# Altium PCB MOTHER_BOARD_V1.0.PcbDoc (part 1 of 2)
Units mm, origin at the board's own origin, x right, y up, seen from the top; angles counter-clockwise.
Board outline 320 x 91 mm, 6 copper layers (Top Layer, Layer 2, Layer 3, Layer 4, Layer 5, Bottom Layer), stack 1.509 mm thick; 445 components, 446 nets, 2207 pads, 95 vias.
Unrouted connection lines stored in the file: 1411.
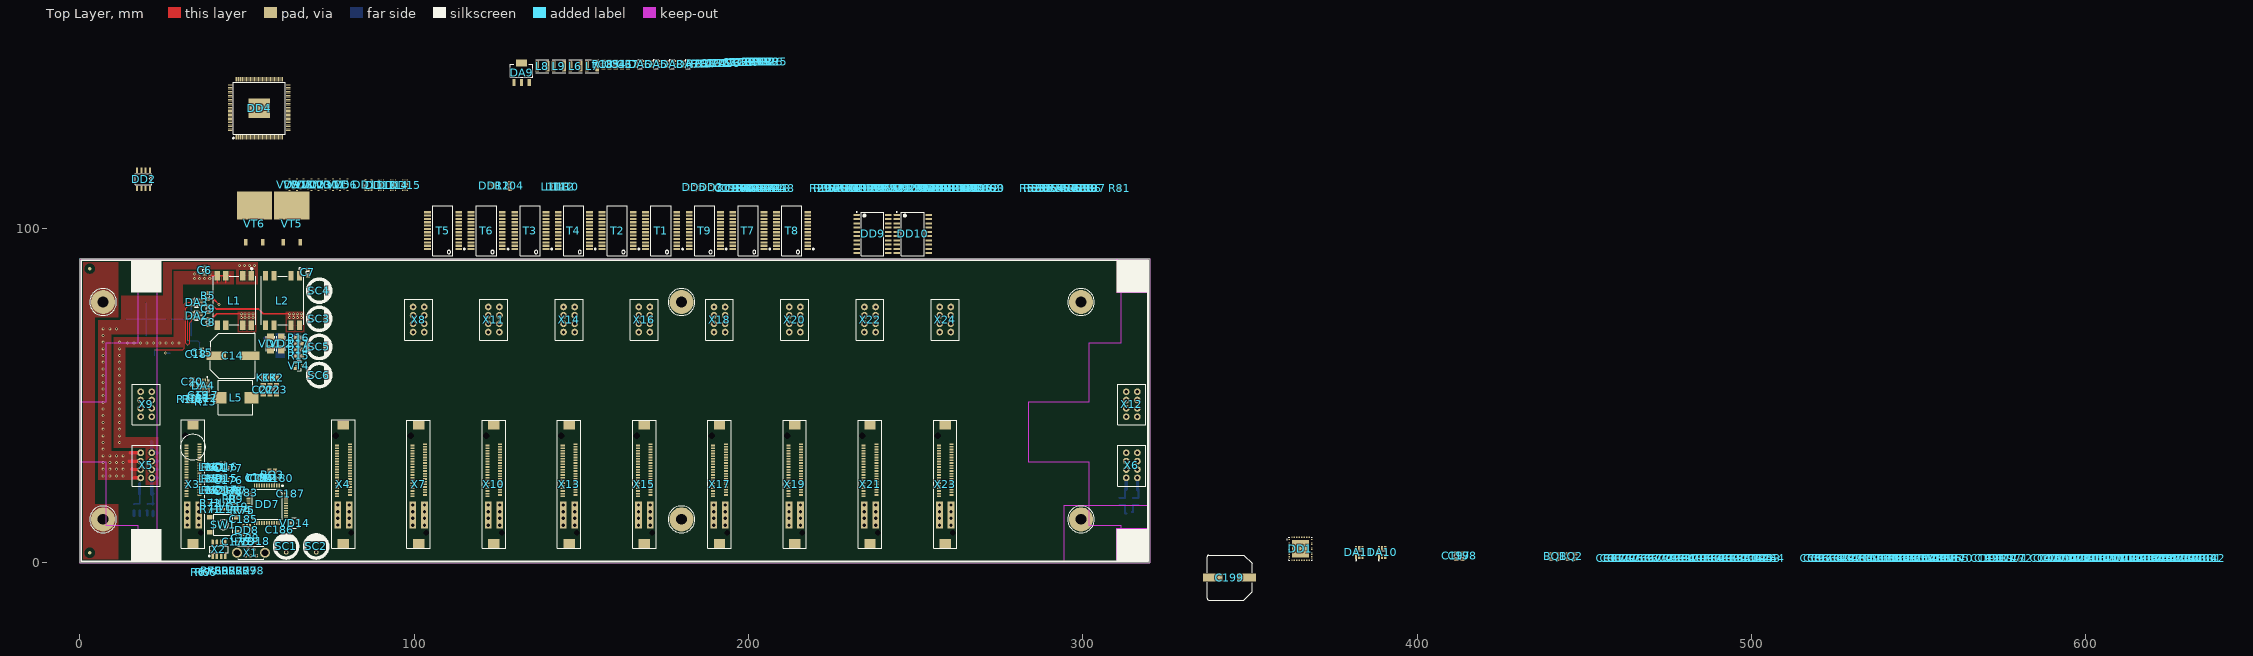
[diagram p0: Top Layer view]
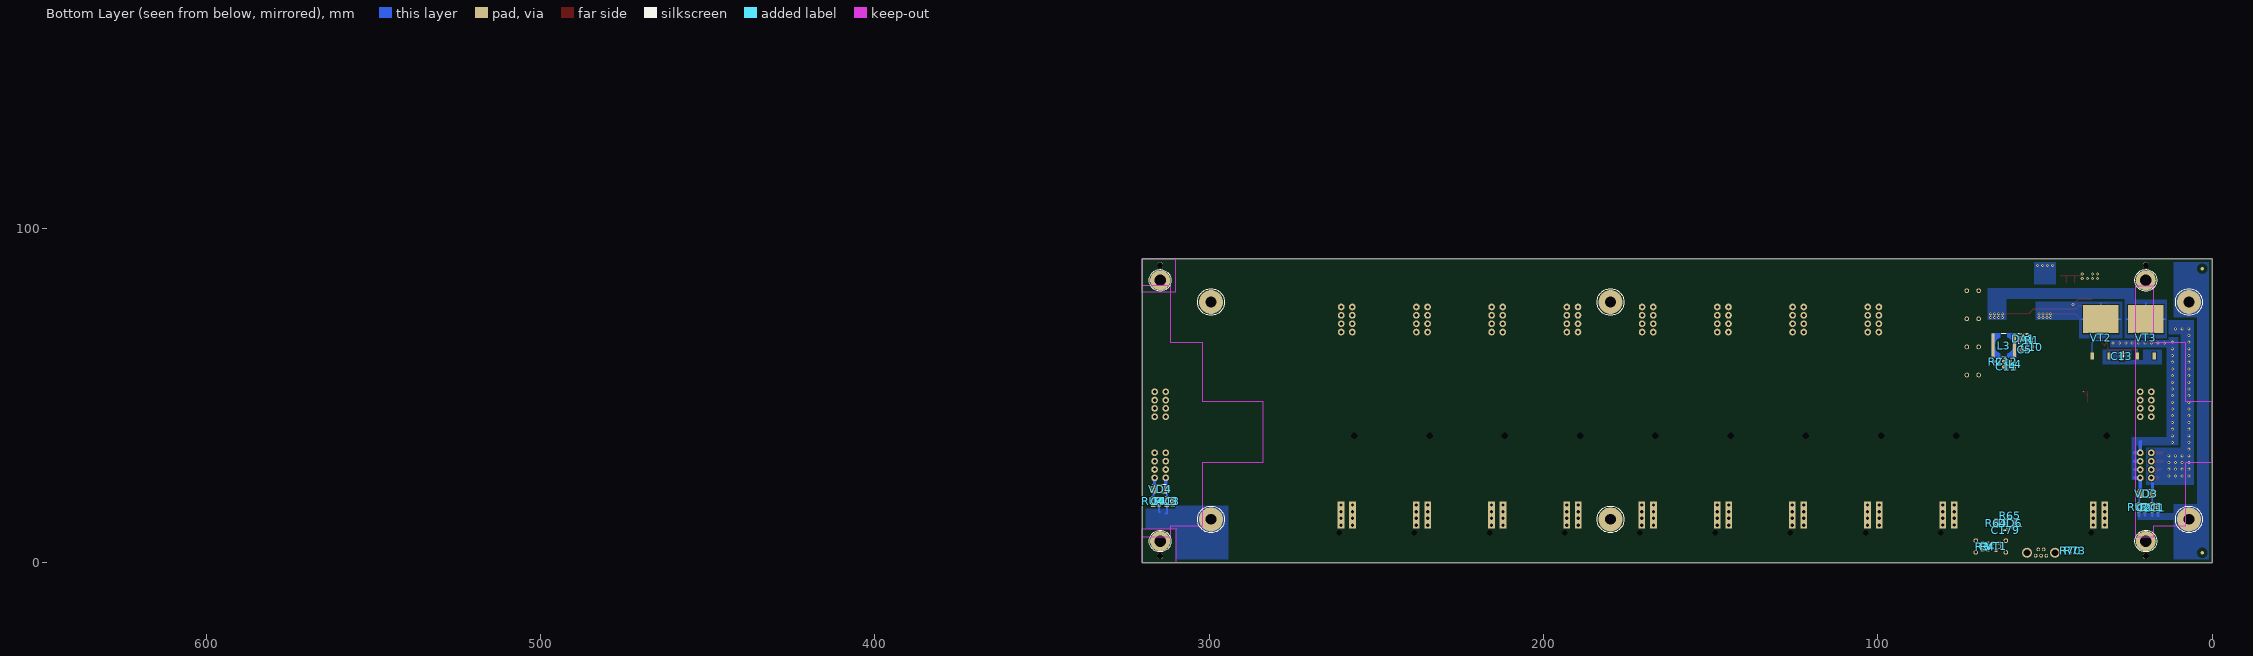
[diagram p1: Bottom Layer view, seen from below]
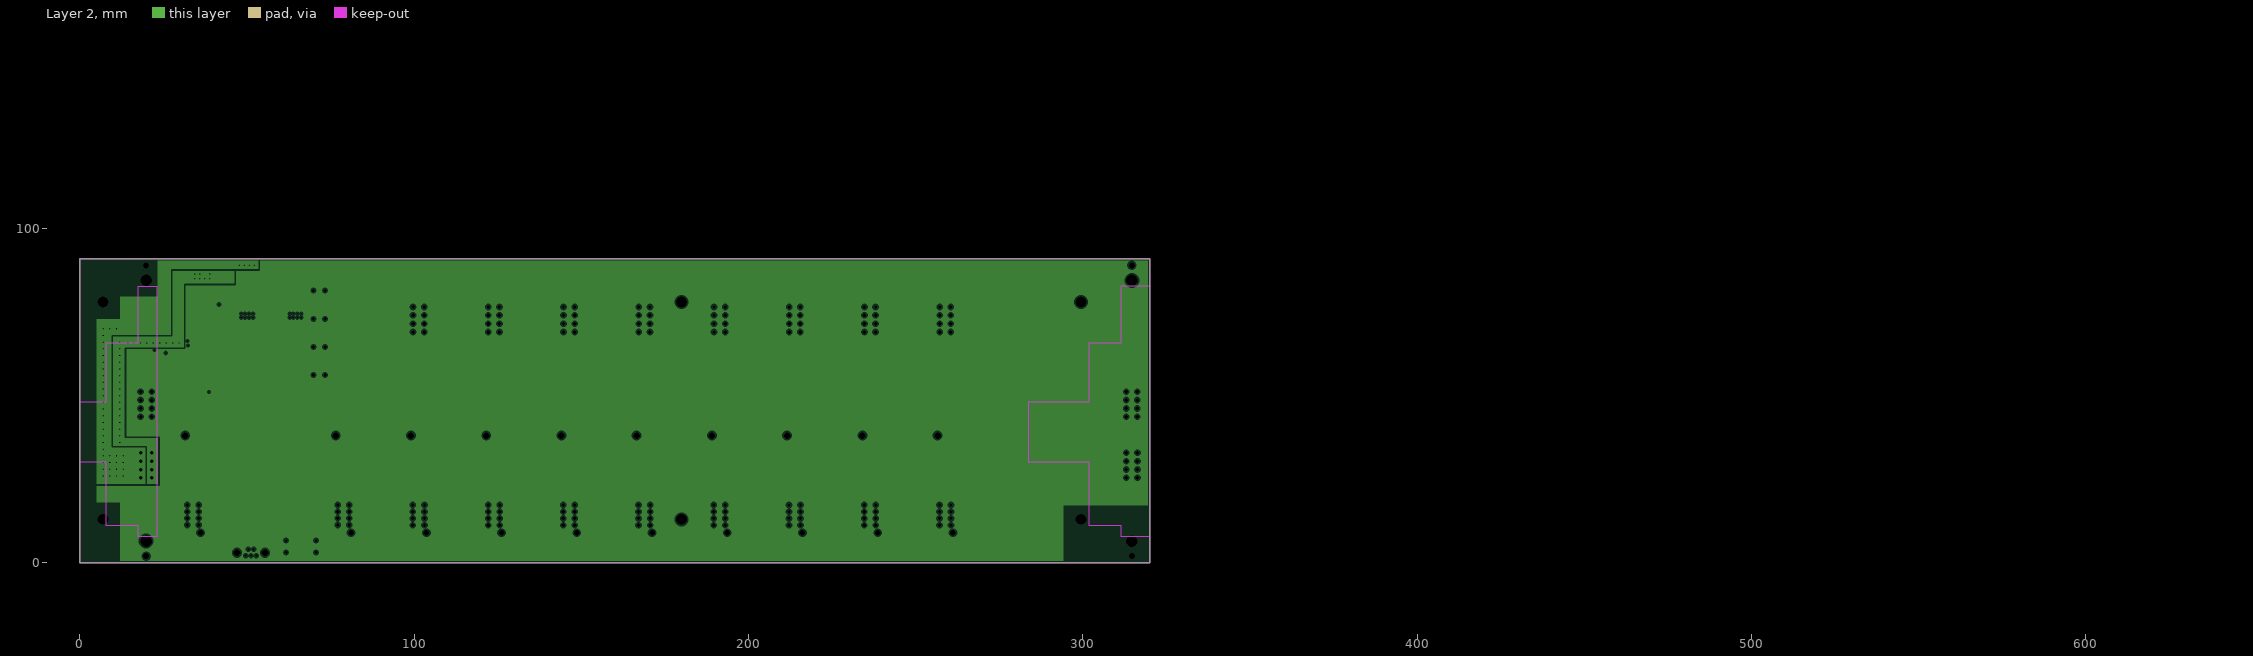
[diagram p2: Layer 2, clearances drawn from the general rule]
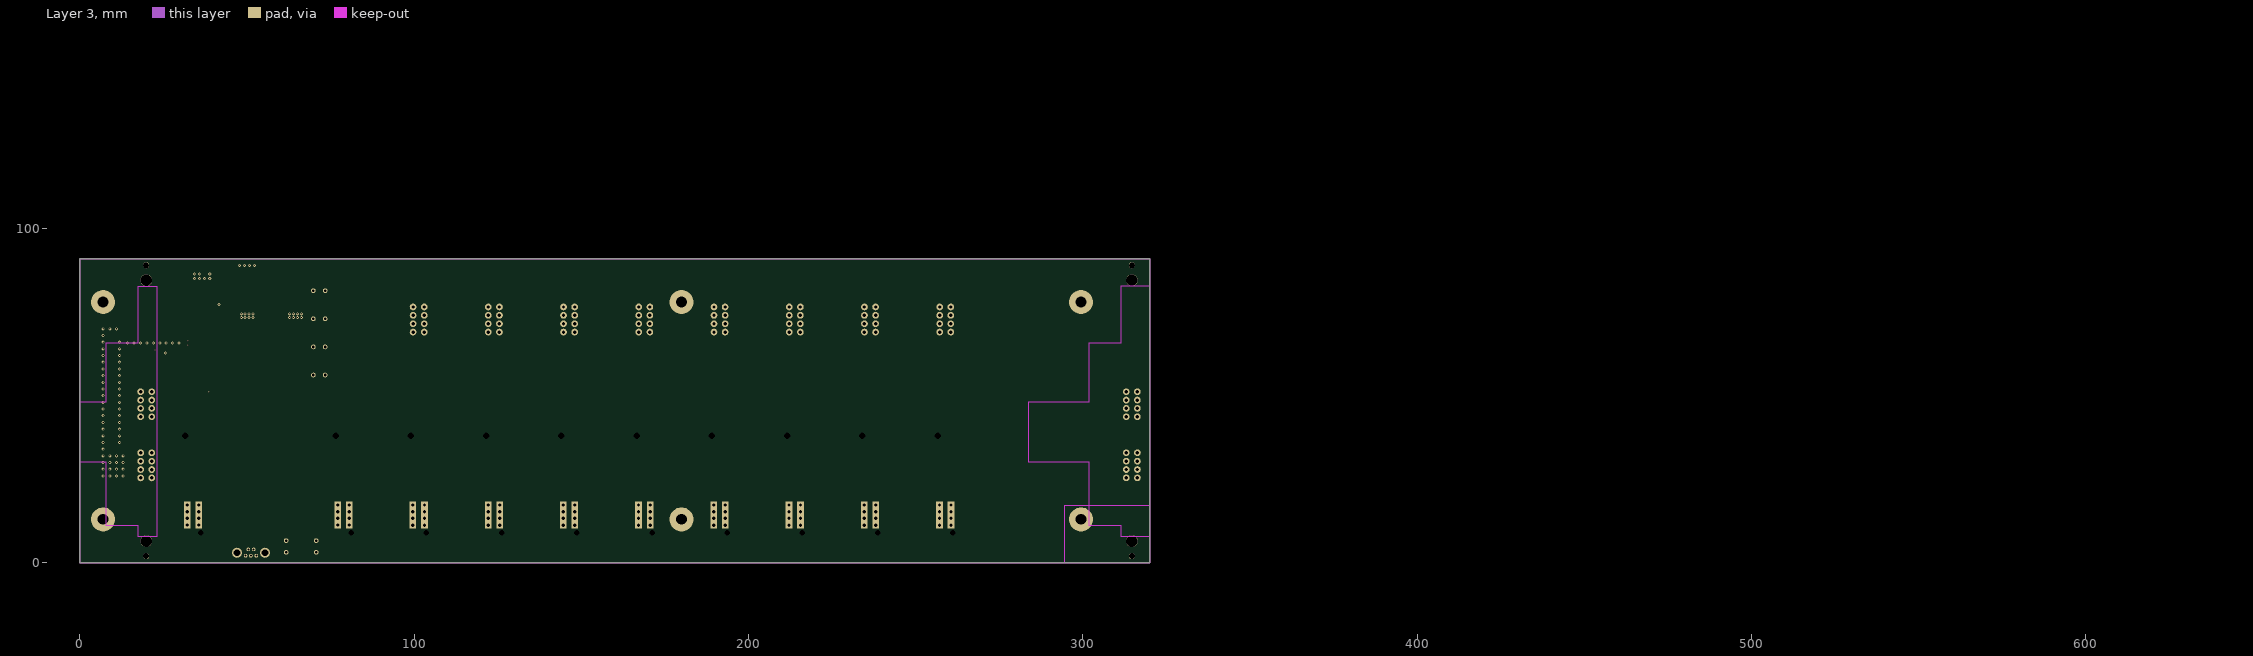
[diagram p3: Layer 3]
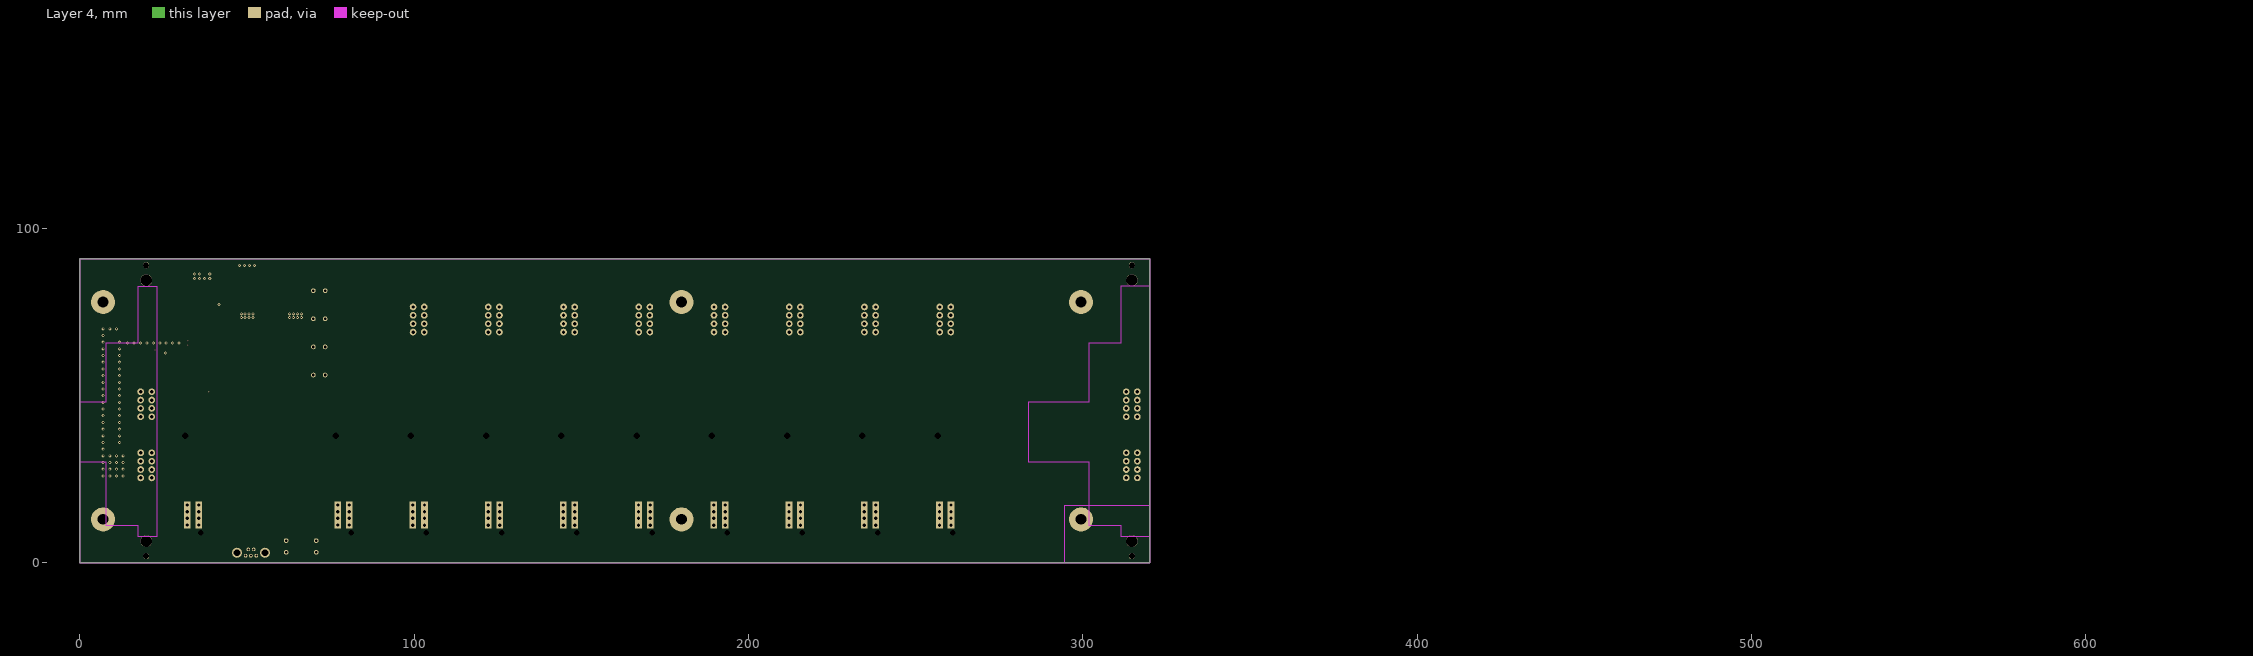
[diagram p4: Layer 4]
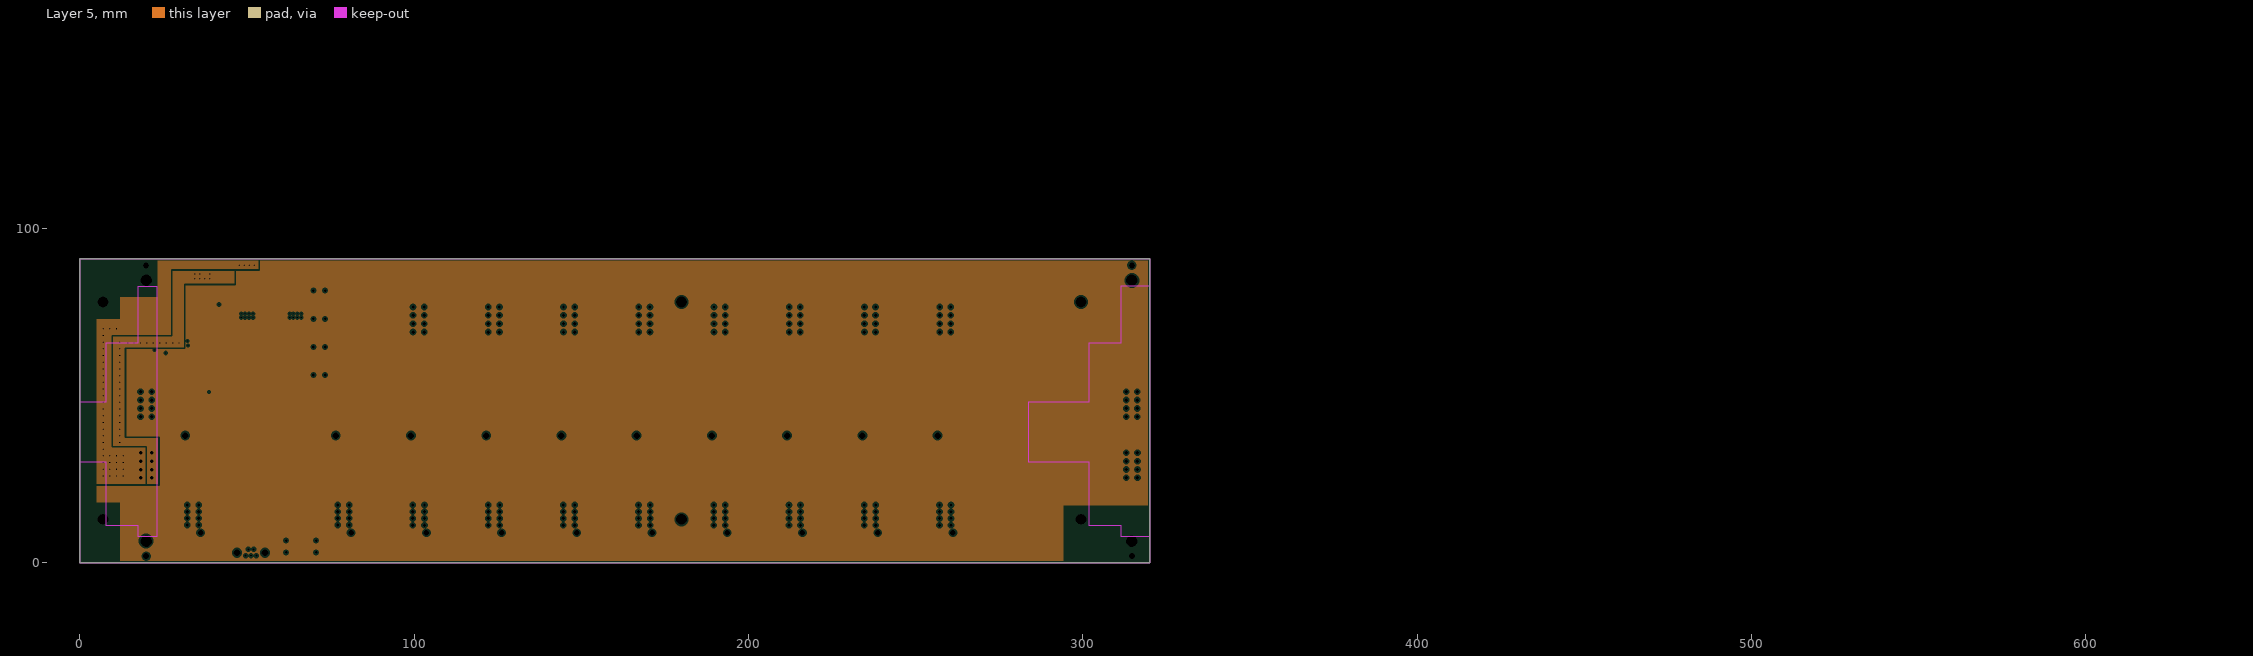
[diagram p5: Layer 5, clearances drawn from the general rule]

## Layer stack, top to bottom
Top Solder: solder mask 0.025, Solder Resist, Dk 3.5
Top Layer: signal copper 0.018
PREPREG1: prepreg 0.127, 2116, Dk 4.2
Layer 2: plane copper 0.018, net (Multiple Nets)
CORE1: core 0.51, FR4, Dk 4.6
Layer 3: signal copper 0.018
PREPREG2: prepreg 0.127, 2116, Dk 4.2
Layer 4: signal copper 0.018
CORE2: core 0.51, FR4, Dk 4.6
Layer 5: plane copper 0.018, net (Multiple Nets)
PREPREG3: prepreg 0.127, 2116, Dk 4.2
Bottom Layer: signal copper 0.018
Bottom Solder: solder mask 0.025, Solder Resist, Dk 3.5

## Board outline
0,0 0,91 320,91 320,0

## Design rules (kind name [scope] priority, off if disabled: settings)
Clearance ClearanceBoard [All vs OnLayer('Keep-Out Layer')] p1: gap=1 ignorepadtopadclearanceinfootprint=FALSE
Clearance ClearanceShield [IsTrack or InPoly vs InNet('SHIELD')] p2: gap=1 ignorepadtopadclearanceinfootprint=FALSE
Clearance [All] p3: gap=0.125 ignorepadtopadclearanceinfootprint=TRUE
DiffPairsRouting [All] p1: maxlimit=0.254 minlimit=0.254 mostfreqgap=0.254 toplayer_minwidth=0.381 toplayer_maxwidth=0.381 toplayer_prefwidth=0.381 midlayer1_minwidth=0.381 midlayer1_maxwidth=0.381 midlayer1_prefwidth=0.381 midlayer2_minwidth=0.381 midlayer2_maxwidth=0.381 midlayer2_prefwidth=0.381 bottomlayer_minwidth=0.381 bottomlayer_maxwidth=0.381 bottomlayer_prefwidth=0.381 maxuncoupledlength=12.7
Height [OnBottom] p1: minheight=0 maxheight=7 prefheight=5
HoleSize [All] p1: absolutevalues=TRUE maxlimit=5 minlimit=0.2 maxpercent=80.000 minpercent=20.000
PlaneClearance PlaneClearanceShield [InNet('SHIELD')] p1: clearance=1
PlaneClearance [All] p2: clearance=0.5
PlaneConnect PlaneConnectShieldM3 [InPadClass('M3_SHIELD')] p1: planeconnectstyle=Direct reliefexpansion=0.5 reliefentries=4 reliefconductorwidth=0.25 reliefairgap=0.25
PlaneConnect PlaneConnectVia [IsVia] p2: planeconnectstyle=Direct reliefexpansion=0.5 reliefentries=4 reliefconductorwidth=0.25 reliefairgap=0.25
PlaneConnect PlaneConnectNet [All] p3: planeconnectstyle=Relief reliefexpansion=0.5 reliefentries=4 reliefconductorwidth=0.25 reliefairgap=0.25
PolygonConnect PolygonConnectShieldM3 [InPadClass('M3_SHIELD') vs InNet('SHIELD')] p1: connectstyle=Direct reliefconductorwidth=0.254 reliefentries=4 polygonreliefangle="90 Angle" airgapwidth=0.254
PolygonConnect [All] p2: thpad.connectstyle=Relief thpad.reliefconductorwidth=0.25 thpad.reliefentries=4 thpad.polygonreliefangle="90 Angle" thpad.airgapwidth=0.25 smdpad.connectstyle=Relief smdpad.reliefconductorwidth=0.25 smdpad.reliefentries=4 smdpad.polygonreliefangle="90 Angle" smdpad.airgapwidth=0.25 via.connectstyle=Direct via.reliefconductorwidth=0.25 via.reliefentries=4 via.polygonreliefangle="90 Angle" via.airgapwidth=0.25
RoutingCorners [All] p1: cornerstyle=45-Degree minsetback=2.5 maxsetback=2.5
RoutingVias VIA [All] p1: holewidth=0.4 width=0.9 viastyle="Through Hole" minholewidth=0.2 minwidth=0.4 maxholewidth=0.8 maxwidth=1.35
SolderMaskExpansion [All] p1: expansion=0.075 istentingtop=FALSE
Width WidthTrack [All] p1: maxlimit=1 minlimit=0.125 preferedwidth=0.2
24 further rules are at their usual default settings.

## Classes and differential pairs
pad class M3_SHIELD: Free-M3
net class P0_TX: P0_TX_CLK P0_TX_EN P0_TXD0 P0_TXD1 P0_TXD2 P0_TXD3
net class P0_TXRX: P0_TXRX_A_N P0_TXRX_A_P P0_TXRX_B_N P0_TXRX_B_P P0_TXRX_C_N P0_TXRX_C_P P0_TXRX_D_N P0_TXRX_D_P
net class P0_RX: P0_RX_CLK P0_RX_DV P0_RXD0 P0_RXD1 P0_RXD2 P0_RXD3
differential pair BUF_P10_SGMII_TX: +BUF_P10_SGMII_TX_P -BUF_P10_SGMII_TX_N
differential pair BUF_P10_SGMII_RX: +BUF_P10_SGMII_RX_P -BUF_P10_SGMII_RX_N
differential pair BUF_P9_SGMII_TX: +BUF_P9_SGMII_TX_P -BUF_P9_SGMII_TX_N
differential pair BUF_P9_SGMII_RX: +BUF_P9_SGMII_RX_P -BUF_P9_SGMII_RX_N
differential pair RS485_AB: +RS485_AB_P -RS485_AB_N
differential pair PHY8_TXRX_D: +PHY8_TXRX_D_P -PHY8_TXRX_D_N
differential pair PHY8_TXRX_C: +PHY8_TXRX_C_P -PHY8_TXRX_C_N
differential pair PHY8_TXRX_B: +PHY8_TXRX_B_P -PHY8_TXRX_B_N
differential pair PHY8_TXRX_A: +PHY8_TXRX_A_P -PHY8_TXRX_A_N
differential pair PHY7_TXRX_D: +PHY7_TXRX_D_P -PHY7_TXRX_D_N
differential pair PHY7_TXRX_C: +PHY7_TXRX_C_P -PHY7_TXRX_C_N
differential pair PHY7_TXRX_B: +PHY7_TXRX_B_P -PHY7_TXRX_B_N
differential pair PHY7_TXRX_A: +PHY7_TXRX_A_P -PHY7_TXRX_A_N
differential pair PHY6_TXRX_D: +PHY6_TXRX_D_P -PHY6_TXRX_D_N
differential pair PHY6_TXRX_C: +PHY6_TXRX_C_P -PHY6_TXRX_C_N
differential pair PHY6_TXRX_B: +PHY6_TXRX_B_P -PHY6_TXRX_B_N
differential pair PHY6_TXRX_A: +PHY6_TXRX_A_P -PHY6_TXRX_A_N
differential pair PHY5_TXRX_D: +PHY5_TXRX_D_P -PHY5_TXRX_D_N
differential pair PHY5_TXRX_C: +PHY5_TXRX_C_P -PHY5_TXRX_C_N
differential pair PHY5_TXRX_B: +PHY5_TXRX_B_P -PHY5_TXRX_B_N
differential pair PHY5_TXRX_A: +PHY5_TXRX_A_P -PHY5_TXRX_A_N
differential pair PHY4_TXRX_D: +PHY4_TXRX_D_P -PHY4_TXRX_D_N
differential pair PHY4_TXRX_C: +PHY4_TXRX_C_P -PHY4_TXRX_C_N
differential pair PHY4_TXRX_B: +PHY4_TXRX_B_P -PHY4_TXRX_B_N
differential pair PHY4_TXRX_A: +PHY4_TXRX_A_P -PHY4_TXRX_A_N
differential pair PHY3_TXRX_D: +PHY3_TXRX_D_P -PHY3_TXRX_D_N
differential pair PHY3_TXRX_C: +PHY3_TXRX_C_P -PHY3_TXRX_C_N
differential pair PHY3_TXRX_B: +PHY3_TXRX_B_P -PHY3_TXRX_B_N
differential pair PHY3_TXRX_A: +PHY3_TXRX_A_P -PHY3_TXRX_A_N
differential pair PHY2_TXRX_D: +PHY2_TXRX_D_P -PHY2_TXRX_D_N
differential pair PHY2_TXRX_C: +PHY2_TXRX_C_P -PHY2_TXRX_C_N
differential pair PHY2_TXRX_B: +PHY2_TXRX_B_P -PHY2_TXRX_B_N
differential pair PHY2_TXRX_A: +PHY2_TXRX_A_P -PHY2_TXRX_A_N
differential pair PHY1_TXRX_D: +PHY1_TXRX_D_P -PHY1_TXRX_D_N
differential pair PHY1_TXRX_C: +PHY1_TXRX_C_P -PHY1_TXRX_C_N
differential pair PHY1_TXRX_B: +PHY1_TXRX_B_P -PHY1_TXRX_B_N
differential pair PHY1_TXRX_A: +PHY1_TXRX_A_P -PHY1_TXRX_A_N
differential pair P10_SGMII_TX: +P10_SGMII_TX_P -P10_SGMII_TX_N
differential pair P10_SGMII_RX: +P10_SGMII_RX_P -P10_SGMII_RX_N
differential pair P9_SGMII_TX: +P9_SGMII_TX_P -P9_SGMII_TX_N
differential pair P9_SGMII_RX: +P9_SGMII_RX_P -P9_SGMII_RX_N
differential pair P8_TXRX_D: +P8_TXRX_D_P -P8_TXRX_D_N
differential pair P8_TXRX_C: +P8_TXRX_C_P -P8_TXRX_C_N
differential pair P8_TXRX_B: +P8_TXRX_B_P -P8_TXRX_B_N
differential pair P8_TXRX_A: +P8_TXRX_A_P -P8_TXRX_A_N
differential pair P7_TXRX_D: +P7_TXRX_D_P -P7_TXRX_D_N
differential pair P7_TXRX_C: +P7_TXRX_C_P -P7_TXRX_C_N
differential pair P7_TXRX_B: +P7_TXRX_B_P -P7_TXRX_B_N
differential pair P7_TXRX_A: +P7_TXRX_A_P -P7_TXRX_A_N
differential pair P6_TXRX_D: +P6_TXRX_D_P -P6_TXRX_D_N
differential pair P6_TXRX_C: +P6_TXRX_C_P -P6_TXRX_C_N
differential pair P6_TXRX_B: +P6_TXRX_B_P -P6_TXRX_B_N
differential pair P6_TXRX_A: +P6_TXRX_A_P -P6_TXRX_A_N
differential pair P5_TXRX_D: +P5_TXRX_D_P -P5_TXRX_D_N
differential pair P5_TXRX_C: +P5_TXRX_C_P -P5_TXRX_C_N
differential pair P5_TXRX_B: +P5_TXRX_B_P -P5_TXRX_B_N
differential pair P5_TXRX_A: +P5_TXRX_A_P -P5_TXRX_A_N
differential pair P4_TXRX_D: +P4_TXRX_D_P -P4_TXRX_D_N
differential pair P4_TXRX_C: +P4_TXRX_C_P -P4_TXRX_C_N
differential pair P4_TXRX_B: +P4_TXRX_B_P -P4_TXRX_B_N
differential pair P4_TXRX_A: +P4_TXRX_A_P -P4_TXRX_A_N
differential pair P3_TXRX_D: +P3_TXRX_D_P -P3_TXRX_D_N
differential pair P3_TXRX_C: +P3_TXRX_C_P -P3_TXRX_C_N
differential pair P3_TXRX_B: +P3_TXRX_B_P -P3_TXRX_B_N
differential pair P3_TXRX_A: +P3_TXRX_A_P -P3_TXRX_A_N
differential pair P2_TXRX_D: +P2_TXRX_D_P -P2_TXRX_D_N
differential pair P2_TXRX_C: +P2_TXRX_C_P -P2_TXRX_C_N
differential pair P2_TXRX_B: +P2_TXRX_B_P -P2_TXRX_B_N
differential pair P2_TXRX_A: +P2_TXRX_A_P -P2_TXRX_A_N
differential pair P1_TXRX_D: +P1_TXRX_D_P -P1_TXRX_D_N
differential pair P1_TXRX_C: +P1_TXRX_C_P -P1_TXRX_C_N
differential pair P1_TXRX_B: +P1_TXRX_B_P -P1_TXRX_B_N
differential pair P1_TXRX_A: +P1_TXRX_A_P -P1_TXRX_A_N
differential pair P0_TXRX_D: +P0_TXRX_D_P -P0_TXRX_D_N
differential pair P0_TXRX_C: +P0_TXRX_C_P -P0_TXRX_C_N
differential pair P0_TXRX_B: +P0_TXRX_B_P -P0_TXRX_B_N
differential pair P0_TXRX_A: +P0_TXRX_A_P -P0_TXRX_A_N
differential pair DBG_USB: +DBG_USB_P -DBG_USB_N
differential pair CPU_TXRX_D: +CPU_TXRX_D_P -CPU_TXRX_D_N
differential pair CPU_TXRX_C: +CPU_TXRX_C_P -CPU_TXRX_C_N
differential pair CPU_TXRX_B: +CPU_TXRX_B_P -CPU_TXRX_B_N
differential pair CPU_TXRX_A: +CPU_TXRX_A_P -CPU_TXRX_A_N
differential pair BMC_USB: +BMC_USB_P -BMC_USB_N

## Components (designator, comment, footprint, x,y, rotation, side; value= is the part's Value field where it differs from the comment)
BQ1 "25 МГц" WE-XTAL_CFPX-180 441.275,1.933 r0 top
BQ2 "25 МГц" WE-XTAL_CFPX-180 446.133,1.933 r0 top
BQ3 "8 МГц" WE-XTAL_CFPX-180 57.575,26.375 r90 top
C1 "100 пФ" C0805 16.233,16.541 r270 bottom
C2 "100 пФ" C0805 20.202,16.541 r90 bottom
C3 "100 пФ" C0805 310.95,18.35 r270 bottom
C4 "100 пФ" C0805 315.05,18.35 r90 bottom
C5 "1 мкФ" C0805 56.1,63.7 r0 bottom
C6 "0,1 мкФ" C0805 37.383,87.468 r90 top
C7 "0,1 мкФ" C0805 68.275,86.85 r270 top
C8 "0,1 мкФ" C0805 38.433,72.029 r90 top
C9 "0,1 мкФ" C0805 38.433,75.935 r90 top
C10 "68 нФ" C0603 53.825,64.45 r90 bottom
C11 "22 мкФ" C0805 61.425,58.6 r0 bottom
C12 "22 мкФ" C0805 61.425,60.175 r0 bottom
C13 "22 мкФ" C0805 27.025,61.825 r90 bottom
C14 "220 мкФ 63 В" WCAP-ASLL_12.5x14 45.85,61.95 r180 top locked
C15 "22 мкФ" C0805 36.5,62.9 r270 top
C16 "4,7 нФ" C0402 35.6,49.325 r0 top
C17 "2,2 нФ" C0402 38.3,50.1 r180 top
C18 "22 нФ" C0402 34.85,62.425 r270 top
C19 "100 пФ" C0402 35.6,50.1 r0 top
C20 "0,1 мкФ" C0805 33.675,54.125 r90 top
C21 "100 мкФ" C1206 54.925,51.725 r90 top
C22 "100 мкФ" C1206 56.9,51.725 r90 top
C23 "100 мкФ" C1206 58.875,51.725 r90 top
C24 "10 мкФ" C0603 190.356,149.417 r90 top
C25 "10 мкФ" C0603 191.714,149.417 r90 top
C26 "10 мкФ" C0603 194.43,149.417 r90 top
C27 "10 мкФ" C0603 193.072,149.417 r90 top
C28 "0,1 мкФ" C0402 197.879,149.717 r90 top
C29 "0,1 мкФ" C0402 198.987,149.717 r90 top
C30 "0,1 мкФ" C0402 200.095,149.717 r90 top
C31 "0,1 мкФ" C0402 195.663,149.717 r90 top
C32 "0,1 мкФ" C0402 196.771,149.717 r90 top
C33 "10 мкФ" C0603 188.998,149.417 r90 top
C34 "47 мкФ" C0805 160.31,149.067 r90 top
C35 "47 мкФ" C0805 158.452,149.067 r90 top
C36 "47 мкФ" C0805 162.168,149.067 r90 top
C37 "47 мкФ" C0805 164.026,149.067 r90 top
C38 "22 пФ" C0402 500.155,1.408 r90 top
C39 "22 пФ" C0402 501.263,1.408 r90 top
C40 "10 мкФ" C0402 497.939,1.408 r90 top
C41 "10 мкФ" C0402 499.047,1.408 r90 top
C42 "10 мкФ" C0402 502.371,1.408 r90 top
C43 "10 мкФ" C0402 505.696,1.408 r90 top
C44 "0,1 мкФ" C0402 506.804,1.408 r90 top
C45 "0,1 мкФ" C0402 503.479,1.408 r90 top
C46 "0,1 мкФ" C0402 504.588,1.408 r90 top
C47 "0,1 мкФ" C0402 530.074,1.408 r90 top
C48 "10 мкФ" C0402 531.182,1.408 r90 top
C49 "10 мкФ" C0402 527.858,1.408 r90 top
C50 "10 мкФ" C0402 528.966,1.408 r90 top
C51 "10 мкФ" C0402 532.29,1.408 r90 top
C52 "10 мкФ" C0402 535.614,1.408 r90 top
C53 "0,1 мкФ" C0402 536.723,1.408 r90 top
C54 "0,1 мкФ" C0402 533.398,1.408 r90 top
C55 "0,1 мкФ" C0402 534.506,1.408 r90 top
C56 "0,1 мкФ" C0402 520.101,1.408 r90 top
C57 "0,1 мкФ" C0402 521.209,1.408 r90 top
C58 "0,1 мкФ" C0402 517.885,1.408 r90 top
C59 "0,1 мкФ" C0402 518.993,1.408 r90 top
C60 "0,1 мкФ" C0402 522.317,1.408 r90 top
C61 "0,1 мкФ" C0402 525.641,1.408 r90 top
C62 "0,1 мкФ" C0402 526.75,1.408 r90 top
C63 "0,1 мкФ" C0402 523.425,1.408 r90 top
C64 "0,1 мкФ" C0402 524.533,1.408 r90 top
C65 "0,1 мкФ" C0402 496.831,1.408 r90 top
C66 "0,1 мкФ" C0402 469.128,1.408 r90 top
C67 "0,1 мкФ" C0402 470.236,1.408 r90 top
C68 "0,1 мкФ" C0402 466.912,1.408 r90 top
C69 "0,1 мкФ" C0402 468.02,1.408 r90 top
C70 "0,1 мкФ" C0402 471.344,1.408 r90 top
C71 "0,1 мкФ" C0402 474.669,1.408 r90 top
C72 "0,1 мкФ" C0402 475.777,1.408 r90 top
C73 "0,1 мкФ" C0402 472.453,1.408 r90 top
C74 "0,1 мкФ" C0402 473.561,1.408 r90 top
C75 "0,1 мкФ" C0402 464.696,1.408 r90 top
C76 "0,1 мкФ" C0402 465.804,1.408 r90 top
C77 "0,1 мкФ" C0402 463.588,1.408 r90 top
C78 "0,1 мкФ" C0402 461.372,1.408 r90 top
C79 "0,1 мкФ" C0402 462.48,1.408 r90 top
C80 "22 пФ" C0402 458.047,1.408 r90 top
C81 "22 пФ" C0402 456.939,1.408 r90 top
C82 "0,1 мкФ" C0402 460.263,1.408 r90 top
C83 "0,1 мкФ" C0402 459.155,1.408 r90 top
C84 "0,1 мкФ" C0402 489.074,1.408 r90 top
C85 "0,1 мкФ" C0402 490.182,1.408 r90 top
C86 "0,1 мкФ" C0402 486.858,1.408 r90 top
C87 "0,1 мкФ" C0402 487.966,1.408 r90 top
C88 "0,1 мкФ" C0402 491.29,1.408 r90 top
C89 "0,1 мкФ" C0402 494.615,1.408 r90 top
C90 "0,1 мкФ" C0402 495.723,1.408 r90 top
C91 "0,1 мкФ" C0402 492.398,1.408 r90 top
C92 "0,1 мкФ" C0402 493.507,1.408 r90 top
C93 "0,1 мкФ" C0402 479.101,1.408 r90 top
C94 "0,1 мкФ" C0402 480.209,1.408 r90 top
C95 "0,1 мкФ" C0402 476.885,1.408 r90 top
C96 "0,1 мкФ" C0402 477.993,1.408 r90 top
C97 "0,1 мкФ" C0402 481.317,1.408 r90 top
C98 "0,1 мкФ" C0402 484.642,1.408 r90 top
C99 "0,1 мкФ" C0402 485.75,1.408 r90 top
C100 "0,1 мкФ" C0402 482.425,1.408 r90 top
C101 "0,1 мкФ" C0402 483.534,1.408 r90 top
C102 "0,1 мкФ" C0402 604.317,1.408 r90 top
C103 "0,1 мкФ" C0402 605.425,1.408 r90 top
C104 "0,1 мкФ" C0402 603.209,1.408 r90 top
C105 "0,1 мкФ" C0402 600.992,1.408 r90 top
C106 "0,1 мкФ" C0402 602.101,1.408 r90 top
C107 "0,1 мкФ" C0402 606.533,1.408 r90 top
C108 "0,1 мкФ" C0402 610.965,1.408 r90 top
C109 "0,1 мкФ" C0402 612.074,1.408 r90 top
C110 "0,1 мкФ" C0402 609.857,1.408 r90 top
C111 "0,1 мкФ" C0402 607.641,1.408 r90 top
C112 "0,1 мкФ" C0402 608.749,1.408 r90 top
C113 "0,1 мкФ" C0402 592.128,1.408 r90 top
C114 "0,1 мкФ" C0402 593.236,1.408 r90 top
C115 "0,1 мкФ" C0402 591.02,1.408 r90 top
C116 "0,1 мкФ" C0402 588.803,1.408 r90 top
C117 "0,1 мкФ" C0402 589.911,1.408 r90 top
C118 "0,1 мкФ" C0402 594.344,1.408 r90 top
C119 "0,1 мкФ" C0402 598.776,1.408 r90 top
C120 "0,1 мкФ" C0402 599.884,1.408 r90 top
C121 "0,1 мкФ" C0402 597.668,1.408 r90 top
C122 "0,1 мкФ" C0402 595.452,1.408 r90 top
C123 "0,1 мкФ" C0402 596.56,1.408 r90 top
C124 "0,1 мкФ" C0402 613.182,1.408 r90 top
C125 "0,1 мкФ" C0402 627.587,1.408 r90 top
C126 "0,1 мкФ" C0402 632.019,1.408 r90 top
C127 "0,1 мкФ" C0402 630.911,1.408 r90 top
C128 "0,1 мкФ" C0402 629.803,1.408 r90 top